# Altium PCB base.PcbDoc (continued)
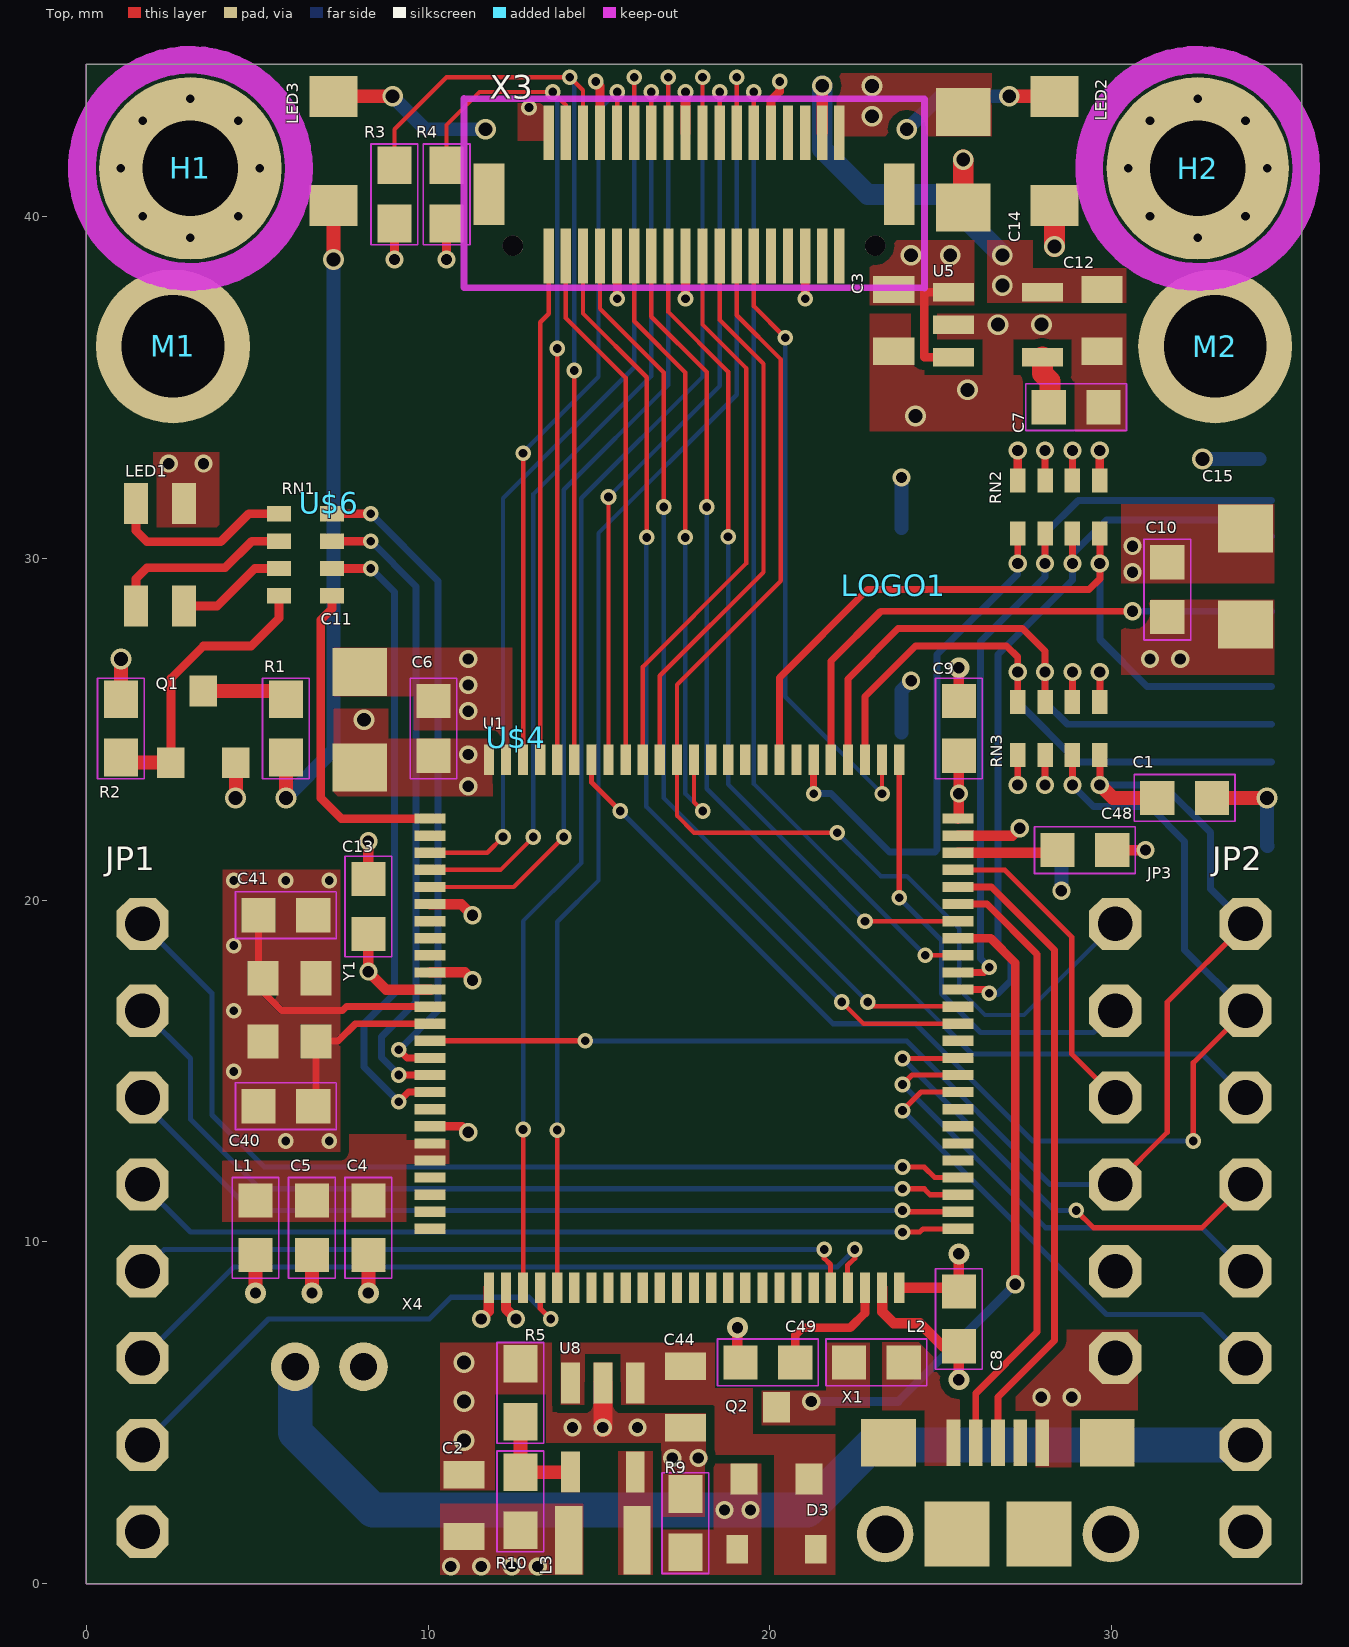
[diagram p0: Top view]
## Footprints (in the part's own frame and the unit in brackets; to place one, negate y for a bottom-side part, rotate by r counter-clockwise, add the part's x,y. Pads: shape width x height; smd on the part's side, far side on the other; paste and mask are expansions set on the pad) (continued)
  rect 0.9x1.8 smd: F1(6,0) F2(-6,0)
  round 0.6 hole 0.6 unplated: MH1(5.3,-1.5) MH2(-5.3,-1.5)
  Top keep-out lines w0.2: -6.732,-2.723 -6.732,2.804 6.742,2.791 6.742,-2.735 -6.732,-2.723
  body extent -6.84,-2.84 6.85,2.91, height 3.81
EIA3216 [mm] "EIA3216"
  rect 1.4x1.6 smd: A(1.4,0) C(-1.4,0)
  body extent -2.1,-0.8 2.1,0.8, height 1.27
EXBV8V [mm] "EXBV8V"
  rect 0.45x0.7 smd: 1(-1.2,-0.775) 2(-0.4,-0.775) 3(0.4,-0.775) 4(1.2,-0.775) 5(1.2,0.775) 6(0.4,0.775) 7(-0.4,0.775) 8(-1.2,0.775)
  body extent -1.6,-1.12 1.6,1.12, height 3.81
JST-PH-2-THM-RA [mil] "JST-PH-2-THM-RA"
  round 56 / inner round 60 / far side round 56 hole 31.5: 1(39.37,0) 2(-39.37,0)
  body extent -70,-30 70,30, height 50
LED-1206 [mm] "LED-1206"
  rect 1.2x1.4 smd: A(-1.6,0) C(1.6,0)
  body extent -2.2,-0.7 2.2,0.7, height 1.27
LED-TRICOLOR-SMD-MF [mm] "LED-TRICOLOR-SMD-MF"
  rect 0.7x1.2 smd: A(0.7,1.5) B(0.7,-1.5) G(-0.7,-1.5) R(-0.7,1.5)
  body extent -1.05,-2.1 1.05,2.1, height 1.27
LQFP100 [mm] "LQFP100"
  rect 0.9x0.3 smd: 1(-7.72,6) 2(-7.72,5.5) 3(-7.72,5) 4(-7.72,4.5) 5(-7.72,4) 6(-7.72,3.5) 7(-7.72,3) 8(-7.72,2.5) 9(-7.72,2) 10(-7.72,1.5) 11(-7.72,1) 12(-7.72,0.5) 13(-7.72,0) 14(-7.72,-0.5) 15(-7.72,-1) 16(-7.72,-1.5) 17(-7.72,-2) 18(-7.72,-2.5) 19(-7.72,-3) 20(-7.72,-3.5) 21(-7.72,-4) 22(-7.72,-4.5) 23(-7.72,-5) 24(-7.72,-5.5) 25(-7.72,-6) 51(7.72,-6) 52(7.72,-5.5) 53(7.72,-5) 54(7.72,-4.5) 55(7.72,-4) 56(7.72,-3.5) 57(7.72,-3) 58(7.72,-2.5) 59(7.72,-2) 60(7.72,-1.5) 61(7.72,-1) 62(7.72,-0.5) 63(7.72,0) 64(7.72,0.5) 65(7.72,1) 66(7.72,1.5) 67(7.72,2) 68(7.72,2.5) 69(7.72,3) 70(7.72,3.5) 71(7.72,4) 72(7.72,4.5) 73(7.72,5) 74(7.72,5.5) 75(7.72,6)
  rect 0.3x0.9 smd: 26(-6,-7.72) 27(-5.5,-7.72) 28(-5,-7.72) 29(-4.5,-7.72) 30(-4,-7.72) 31(-3.5,-7.72) 32(-3,-7.72) 33(-2.5,-7.72) 34(-2,-7.72) 35(-1.5,-7.72) 36(-1,-7.72) 37(-0.5,-7.72) 38(0,-7.72) 39(0.5,-7.72) 40(1,-7.72) 41(1.5,-7.72) 42(2,-7.72) 43(2.5,-7.72) 44(3,-7.72) 45(3.5,-7.72) 46(4,-7.72) 47(4.5,-7.72) 48(5,-7.72) 49(5.5,-7.72) 50(6,-7.72) 76(6,7.72) 77(5.5,7.72) 78(5,7.72) 79(4.5,7.72) 80(4,7.72) 81(3.5,7.72) 82(3,7.72) 83(2.5,7.72) 84(2,7.72) 85(1.5,7.72) 86(1,7.72) 87(0.5,7.72) 88(0,7.72) 89(-0.5,7.72) 90(-1,7.72) 91(-1.5,7.72) 92(-2,7.72) 93(-2.5,7.72) 94(-3,7.72) 95(-3.5,7.72) 96(-4,7.72) 97(-4.5,7.72) 98(-5,7.72) 99(-5.5,7.72) 100(-6,7.72)
  body extent -8.17,-8.17 8.17,8.17, height 3.81
MICROUSB-RIGHT [mm] "MICROUSB-RIGHT"
  rect 0.4x1.35 smd: 1(-1.3,1.27) 2(-0.65,1.27) 3(0,1.27) 4(0.65,1.27) 5(1.3,1.27)
  round 1.65 / inner round 1.524 / far side round 1.65 hole 1.1: S1(-3.3,-1.405) S2(3.3,-1.405)
  rect 1.6x1.4 smd: S3(-3.2,1.27) S4(3.2,1.27)
  rect 1.9x1.9 smd: S5(-1.2,-1.405) S6(1.2,-1.405)
  body extent -4.07,-2.36 4.07,1.97, height 1.27
OMV-LOGO [mm] "OMV-LOGO"
OMV-LOGO-BIG [mm] "OMV-LOGO-BIG"
OMV-LOGO-SMALL [mm] "OMV-LOGO-SMALL"
OSHW_FILLX100_NOTEXT [mm] "OSHW_FILLX100_NOTEXT"
ROHS [mm] "ROHS"
SOD-323 [mm] "SOD-323"
  rect 0.63x0.83 smd: 1(-1.15,0) 2(1.15,0)
  body extent -1.47,-0.42 1.47,0.42, height 1.27
SOT23-3 [mil] "SOT23-3"
  rect 31.5x35.43 smd: 1(-37.4,-39.37) 2(37.4,-39.37) 3(0,43.31)
  body extent -59,-57 59,61, height 150
SOT23-5 [mm] "SOT23-5"
  rect 0.55x1.2 smd: 1(-0.95,-1.3) 2(0,-1.3) 3(0.95,-1.3) 4(0.95,1.3) 5(-0.95,1.3)
  body extent -1.48,-1.9 1.48,1.9, height 3.81
TSOT25 [mm] "TSOT25"
  rect 0.55x1.2 smd: 1(-0.95,-1.3) 2(0,-1.3) 3(0.95,-1.3) 4(0.95,1.3) 5(-0.95,1.3)
  body extent -1.48,-1.9 1.48,1.9, height 3.81
WEEE [mm] "WEEE"

## Part data
C1 C4 C5 C6 C7 C8 C9 C10 C13 C40 C41 C48 C49: library part 0603-CAP, PackageName=0603-CAP
C2 C3 C12 C44: library part 0805, PackageName=0805
C11 C14 C15: library part EIA3216, PackageName=EIA3216
D3: library part SOD-323, PackageName=SOD-323
H1 H2: library part 2,8-PAD, PackageName=2,8-PAD
JP1 JP2: library part 1X08, PackageName=1X08
JP3: library part 1X06, PackageName=1X06
L1 L2: library part 0603, PackageName=0603
L3: library part 1007, PackageName=1007
LED1: library part LED-TRICOLOR-SMD-MF, PackageName=LED-TRICOLOR-SMD-MF
LED2 LED3: library part LED-1206, PackageName=LED-1206
LOGO1: library part OSHW_FILLX100_NOTEXT, PackageName=OSHW_FILLX100_NOTEXT
M1 M2: library part 9774030151R, PackageName=9774030151R
Q1 Q2: library part SOT23-3, PackageName=SOT23-3
R1 R2 R3 R4 R5 R9 R10: library part 0603-RES, PackageName=0603-RES
RN1 RN2 RN3: library part EXBV8V, PackageName=EXBV8V
U1: library part LQFP100, PackageName=LQFP100
U5: library part SOT23-5, PackageName=SOT23-5
U8: library part TSOT25, PackageName=TSOT25
U$1: library part WEEE, PackageName=WEEE
U$2: library part ROHS, PackageName=ROHS
U$3: library part OMV-LOGO, PackageName=OMV-LOGO
U$4: library part OMV-LOGO-SMALL, PackageName=OMV-LOGO-SMALL
U$6: library part OMV-LOGO-BIG, PackageName=OMV-LOGO-BIG
X1: library part MICROUSB-RIGHT, PackageName=MICROUSB-RIGHT
X2: library part 1040310811, PackageName=1040310811
X3: library part DF12-36-DS, PackageName=DF12-36-DS
X4: library part JST-PH-2-THM-RA, PackageName=JST-PH-2-THM-RA
Y1: library part CRYSTAL-2.5X2.0, PackageName=CRYSTAL-2.5X2.0

## Via types
v1: diameter 0.457/0.457/0.457/0.457 (per signal layer), hole 0.254, Top to Bottom, tented both sides, 87 vias
v2: diameter 0.533/0.594/0.594/0.533 (per signal layer), hole 0.33, Top to Bottom, tented both sides, 58 vias
v3: diameter 0.61/0.732/0.732/0.61 (per signal layer), hole 0.406, Top to Bottom, tented both sides, 27 vias
v4: diameter 0.61/0.594/0.594/0.61 (per signal layer), hole 0.33, Top to Bottom, tented both sides, 7 vias

## Nets (pads, with @x,y where several pads share a name; then routed paths per layer and width w, separated by ;. In a path a pad name is that pad's centre, name@x,y a point inside that pad or via, vN(x,y) a via of type N, cw(c..) or ccw(c..) an arc to the next point about the centre after c; other vN are vias at no path point)
BOOT0: JP2.2 RN3.3 U1.94 | length 37.6
  Top w0.152: U1.94 14.78,23.447 v1(15.621,22.606) ; v1(32.385,12.954) 32.385,15.24 JP2.2
  Top w0.203: v2(28.848,23.368) RN3.3
  Bottom w0.152: v1(15.621,22.606) 21.844,16.383 24.257,16.383 27.686,12.954 v1(32.385,12.954)
  Bottom w0.203: v2(28.848,23.368) 28.848,23.349 29.464,22.733 31.115,22.733 32.131,21.717 32.131,18.542 JP2.2
DAC: JP1.7 U1.29 | length 15
  Top w0.152: U1.29 13.28,8.056 v1(13.589,7.747)
  Bottom w0.152: JP1.7 5.334,7.747 10.033,7.747 10.668,8.382 12.954,8.382 v1(13.589,7.747)
DCMI_CLK: U1.67 X3.12 | length 29.5
  Top w0.127: X3.12 v1(19.53,43.637) ; v1(24.543,18.383) U1.67
  Bottom w0.127: v1(19.53,43.637) 19.53,23.396 v1(24.543,18.383)
DCMI_D0: U1.63 X3.31 | length 28.6
  Top w0.127: X3.31 14.53,37.159 16.395,35.294 v1(16.395,30.607) ; v1(22.098,17.018) 22.733,16.383 U1.63
  Bottom w0.127: v1(16.395,30.607) 16.383,30.595 16.383,22.733 v1(22.098,17.018)
DCMI_D1: U1.64 X3.29 | length 27.8
  Top w0.127: X3.29 15.03,37.294 16.895,35.429 v1(16.895,31.496) ; v1(22.86,17.018) 22.987,16.891 U1.64@25.492,16.891
  Top w0.152: U1.64@25.492,16.891 cw(c25.492,16.883) U1.64
  Bottom w0.127: v1(16.895,31.496) 16.895,22.985 22.86,17.02 v1(22.86,17.018)
DCMI_D2: U1.97 X3.35 | length 14.8
  Top w0.127: U1.97 13.28,36.902 13.53,37.152 X3.35
DCMI_D3: U1.98 X3.28 | length 21.9
  Top w0.127: U1.98 v1(12.78,33.067) ; X3.28 v1(15.53,43.637)
  Bottom w0.127: v1(12.78,33.067) 12.78,33.1 14.986,35.306 14.986,43.093 v1(15.53,43.637)
DCMI_D4: U1.3 X3.26 | length 27.8
  Top w0.127: U1.3 11.731,21.383 v1(12.192,21.844) ; X3.26 v1(16.03,44.069)
  Bottom w0.127: v1(12.192,21.844) 12.192,31.75 16.03,35.588 v1(16.03,44.069)
DCMI_D5: U1.92 X3.33 | length 15.5
  Top w0.127: X3.33 14.03,37.024 15.78,35.274 U1.92
DCMI_D6: U1.4 X3.24 | length 27.8
  Top w0.127: U1.4 12.12,20.883 v1(13.081,21.844) ; X3.24 v1(16.53,43.637)
  Bottom w0.127: v1(13.081,21.844) 13.081,31.877 16.53,35.326 v1(16.53,43.637)
DCMI_D7: U1.5 X3.22 | length 29.6
  Top w0.127: U1.5 12.509,20.383 v1(13.97,21.844) ; X3.22 v1(17.03,44.069)
  Bottom w0.127: v1(13.97,21.844) 13.97,32.004 17.03,35.064 v1(17.03,44.069)
DCMI_FSIN: JP2.3 X3.23 | length 35.8
  Top w0.127: X3.23 16.53,37.064 18.149,35.445 v1(18.149,31.496)
  Bottom w0.127: v1(18.149,31.496) 18.149,23.253 25.146,16.256
  Bottom w0.152: 25.146,16.256 25.908,15.494 32.639,15.494 JP2.3
DCMI_HSYNC: U1.28 X3.18 | length 39.2
  Top w0.127: U1.28 v1(12.78,13.288) ; X3.18 v1(18.03,44.069)
  Bottom w0.127: v1(12.78,13.288) 12.78,19.384 14.478,21.082 14.478,31.75 18.03,35.302 v1(18.03,44.069)
DCMI_PCLK: U1.30 X3.14 | length 39.2
  Top w0.127: U1.30 v1(13.78,13.272) ; X3.14 v1(19.03,44.069)
  Bottom w0.127: v1(13.78,13.272) 13.78,19.368 14.986,20.574 14.986,30.734 19.03,34.778 v1(19.03,44.069)
DCMI_PWDN: U1.88 X3.25 | length 18.7
  Top w0.127: X3.25 16.03,36.929 17.526,35.433 v1(17.526,30.607) ; U1.88 17.78,22.86 v1(18.034,22.606)
  Bottom w0.127: v1(17.526,30.607) 17.526,23.114 v1(18.034,22.606)
DCMI_RST: U1.69 X3.21 | length 24.6
  Top w0.127: X3.21 17.03,37.199 18.776,35.453 v1(18.776,30.627) ; v1(22.781,19.383) U1.69
  Bottom w0.127: v1(18.776,30.627) 18.776,23.388 v1(22.781,19.383)
DCMI_VSYNC: U1.93 X3.16 | length 22.1
  Top w0.127: U1.93 v1(15.28,31.79) ; X3.16 v1(18.53,43.637)
  Bottom w0.127: v1(15.28,31.79) 18.53,35.04 v1(18.53,43.637)
EXPST: U1.55
FREX: U1.56
FS_DM: U1.70 X1.2 | length 18
  Top w0.203: U1.70 26.345,19.883 27.813,18.415 27.813,7.366 26.02,5.573 X1.2
FS_DP: U1.71 X1.3 | length 18.7
  Top w0.203: U1.71 26.48,20.383 28.321,18.542 28.321,7.112 26.67,5.461 X1.3
GND: C1.2 C2.1 C3.1 C4.2 C5.2 C6.2 C7.2 C8.2 C9.2 C10.2 C11.C C12.1 C13.2 C14.C C15.C C40.1 C41.1 C44.1 C48.2 C49.2 JP2.8 JP3.6 Q1.2 R2.1 R5.1 R9.1 RN3.6 U1.10 U1.19 U1.26 U1.49 U1.74 U1.99 U5.2 U8.2 X1.5 X2.CD$2 X2.G$1 X2.G$2 X2.G$3 X2.G$4 X2.P$6 X3.5 X3.19 X3.27 X4.2 Y1.2 Y1.4 | length 34.6
  Top w0.203: RN3.6 v2(28.848,26.67)
  Top w0.254: U1.19 11.001,13.383 v2(11.176,13.208) ; v1(15.53,37.592) X3.27 ; v1(17.53,37.592) X3.19 ; v1(21.03,37.592) X3.5
  Top w0.305: C13.2 v2(8.255,21.717) ; U1.10 11.073,17.883 v2(11.303,17.653) ; v2(11.557,7.747) 11.78,7.97 U1.26 ; v4(19.05,7.493) 19.05,6.566 C49.2 ; U1.49 23.28,7.962 23.622,7.62 24.384,7.62 25.057,6.947 C8.2 v4(25.527,5.969) ; U1.74 27.09,21.883 v2(27.305,22.098) ; C9.2 v4(25.527,26.797) ; C48.2 v2(30.988,21.463)
  Top w0.406: R2.1 v3(1.016,27.051) ; v3(4.369,22.987) 4.379,22.997 Q1.2 ; v4(6.604,8.509) C5.2 ; v4(8.255,8.509) C4.2 ; C1.2 v3(34.544,22.987)
  Top w0.55: v2(15.113,4.572) U8.2
  Top w0.61: C14.C v3(25.654,41.656)
  Bottom w0.406: X2.G$4 23.85,26.136 v2(24.13,26.416) ; X2.G$3 v2(23.85,32.359) ; v2(28.525,20.27) X2.CD$2 ; v3(32.648,32.902) X2.G$2 ; v3(34.544,22.987) 34.544,21.588 X2.G$1
  other v1: 5.842,12.954 7.112,12.954 4.318,14.986 4.318,16.764 4.318,18.669 4.318,20.574 5.842,20.574 7.112,20.574
  other v2: 17.145,3.683 17.907,3.683 14.224,4.572 16.129,4.572 27.94,5.461 28.829,5.461 11.176,25.527 11.176,26.289 11.176,27.051 30.607,29.591 30.607,30.353
  other v3: 11.049,4.191 11.049,5.334 11.049,6.477 24.257,34.163 25.781,34.925 26.67,36.83 27.94,36.83
GPIO1: U1.84
GPIO2: U1.85
GPIO3: U1.82
I2C1_SCL: R3.2 U1.95 X3.32 | length 28.6
  Top w0.127: R3.2 9.017,42.545 10.541,44.069 v1(14.149,44.069) 14.53,43.688 X3.32 ; U1.95 v1(14.28,35.489)
  Bottom w0.127: v1(14.149,44.069) 14.28,43.938 v1(14.28,35.489)
I2C1_SDA: R4.2 U1.96 X3.34 | length 25.6
  Top w0.127: R4.2 10.541,42.672 11.506,43.637 v1(13.649,43.637) 14.03,43.256 X3.34 ; U1.96 v1(13.78,36.132)
  Bottom w0.127: v1(13.649,43.637) 13.78,43.506 v1(13.78,36.132)
I2C2_SCL: JP1.5 U1.46 | length 21.4
  Top w0.152: v1(21.59,9.779) 21.59,9.525 21.772,9.343 21.772,8.671 U1.46
  Bottom w0.152: JP1.5 2.286,9.779 v1(21.59,9.779)
I2C2_SDA: JP1.6 U1.47 | length 23.3
  Top w0.152: U1.47 22.272,8.671 22.272,9.318 22.479,9.525 v1(22.479,9.779)
  Bottom w0.152: JP1.6 4.318,9.271 21.971,9.271 v1(22.479,9.779)
LED_B: RN1.6 U1.17 | length 18.8
  Top w0.203: v1(9.144,14.097) 9.43,14.383 U1.17
  Top w0.254: RN1.6 v1(8.325,29.699)
  Bottom w0.203: v1(8.325,29.699) 9.017,29.007 9.017,17.272 8.128,16.383 8.128,15.113 v1(9.144,14.097)
LED_G: RN1.7 U1.16 | length 18.8
  Top w0.203: v1(9.144,14.883) U1.16
  Top w0.254: RN1.7 v1(8.325,30.499)
  Bottom w0.203: v1(8.325,30.499) 9.652,29.172 9.652,17.018 8.636,16.002 8.636,15.391 v1(9.144,14.883)
LED_IR: RN1.5 U1.1 | length 9.5
  Top w0.254: RN1.5 7.188,28.524 6.858,28.194 6.858,22.987 7.462,22.383 U1.1
LED_R: RN1.8 U1.15 | length 19.1
  Top w0.203: v1(9.144,15.621) 9.382,15.383 U1.15
  Top w0.254: RN1.8 v1(8.325,31.299)
  Bottom w0.203: v1(8.325,31.299) 10.287,29.337 10.287,16.764 v1(9.144,15.621)
N$1: 
  other v1: 3.048,43.434
N$2: C40.2 U1.13 Y1.3 | length 5.5
  Top w0.203: C40.2 ccw(c6.642,14.047) 6.719,14.047 Y1.3 6.73,15.875 7.366,15.875 7.874,16.383 U1.13
N$3: 
  other v1: 5.08,41.402
N$4: C41.2 U1.12 Y1.1 | length 7.5
  Top w0.203: C41.2 5.042,17.714 Y1.1 5.169,17.31 5.715,16.764 7.493,16.764 7.62,16.891 10.052,16.891 U1.12
N$5: Q1.1 R2.2 RN1.4 | length 8.5
  Top w0.254: Q1.1 2.479,26.482 3.429,27.432 4.826,27.432 5.639,28.245 RN1.4
  Top w0.406: R2.2 1.166,24.019 Q1.1
N$6: LED1.B RN1.3 | length 3.2
  Top w0.254: LED1.B 3.834,28.599 4.934,29.699 RN1.3
N$7: L2.1 X1.1
N$8: LED1.R RN1.1 | length 5.5
  Top w0.254: LED1.R 1.459,30.799 1.778,30.48 3.937,30.48 4.756,31.299 RN1.1
N$9: LED1.G RN1.2 | length 5.4
  Top w0.254: LED1.G 1.459,29.399 1.778,29.718 4.064,29.718 4.845,30.499 RN1.2
N$10: LED3.C R1.2 | length 19.1
  Top w0.406: v3(5.842,22.987) R1.2 ; v3(7.239,38.735) LED3.C
  Bottom w0.406: v3(5.842,22.987) 7.239,24.384 7.239,31.877 v3(7.239,38.735)
N$11: C7.1 U5.4 | length 1.6
  Top w0.61: U5.4 27.97,35.403 28.194,35.179 28.194,34.455 C7.1
N$12: C4.1 C5.1 L1.1 U1.20 U1.21
N$13: R5.2 R10.1 U8.4 | length 2.9
  Top w0.406: R5.2 R10.1 14.154,3.263 U8.4
N$14: Q1.3 R1.1 | length 2.5
  Top w0.406: Q1.3 5.592,26.119 R1.1
N$15: 
  other v1: 1.016,41.402
N$16: 
  other v1: 3.048,39.37
N$17: LED2.C LED3.A | length 22.3
  Top w0.406: LED3.A v3(8.966,43.51) ; v3(27,43.51) LED2.C
  VCC w0.406: v3(11.684,42.545) 12.192,42.037 23.495,42.037 v3(24.003,42.545)
  Bottom w0.406: v3(8.966,43.51) 9.931,42.545 v3(11.684,42.545) ; v3(24.003,42.545) 24.968,43.51 v3(27,43.51)
N$18: 
  other v1: 4.445,42.799
N$19: 
  other v1: 1.651,42.799
N$20: 
  other v1: 1.651,40.005
N$21: 
  other v1: 4.445,40.005
N$22: 
  other v1: 32.512,43.434
N$23: 
  other v1: 30.48,41.402
N$24: 
  other v1: 34.544,41.402
N$25: 
  other v1: 32.512,39.37
N$26: 
  other v1: 31.115,42.799
N$27: 
  other v1: 31.115,40.005
N$28: 
  other v1: 33.909,42.799
N$29: 
  other v1: 33.909,40.005
NRST: C1.1 JP2.1 JP3.4 RN3.4 U1.14 | length 40.6
  Top w0.152: U1.14 v1(14.597,15.883) ; JP3.4 31.623,13.208 31.623,17.018 JP2.1
  Top w0.203: v2(29.648,23.368) RN3.4
  Top w0.406: v2(29.648,23.368) 30.029,22.987 C1.1
  Bottom w0.152: v1(14.597,15.883) 14.605,15.875 24.003,15.875 28.194,11.684 JP3.4
  Bottom w0.203: v2(29.648,23.368) 31.496,23.368 32.893,21.971 32.893,20.32 JP2.1
RAW: C44.2 D3.1 Q2.2 U8.1 U8.3
RSVD1: X3.1
RSVD2: X3.3
RSVD3: X3.7
RSVD4: X3.9
RSVD5: X3.6
RSVD6: X3.8
SD_CD: RN2.5 U1.81 X2.CD$1 | length 15.6
  Top w0.203: v1(21.28,23.114) U1.81 ; v2(27.248,29.845) RN2.5
  Bottom w0.203: v1(21.28,23.114) 21.788,23.114 23.495,21.407 X2.CD$1 24.892,21.474 24.892,27.178 27.248,29.534 v2(27.248,29.845)
SDIO_CLK: U1.80 X2.P$5 | length 16.4
  Top w0.203: U1.80 21.78,26.987 23.241,28.448 v2(30.607,28.448)
  Bottom w0.203: v2(30.607,28.448) 34.669,28.448 X2.P$5
SDIO_CMD: RN2.8 U1.83 X2.P$3 | length 22.1
  Top w0.203: U1.83 20.28,26.503 22.86,29.083 29.337,29.083 29.648,29.394 v2(29.648,29.845) RN2.8
  Bottom w0.203: v2(29.648,29.845) 29.648,27.629 31.035,26.242 X2.P$3
SDIO_D0: RN2.7 U1.65 X2.P$7 | length 22.6
  Top w0.203: U1.65 26.305,17.383 v1(26.416,17.272) ; v2(28.848,29.845) RN2.7
  Bottom w0.203: v1(26.416,17.272) 26.67,17.272 27.051,17.653 27.051,18.288 26.67,18.669 26.67,27.178 28.848,29.356 v2(28.848,29.845) 28.848,30.118 29.845,31.115 33.655,31.115 34.128,30.642 X2.P$7
SDIO_D1: RN2.6 U1.66 X2.P$8 | length 22.5
  Top w0.203: U1.66 26.265,17.883 v1(26.416,18.034) ; v2(28.048,29.845) RN2.6
  Bottom w0.203: v1(26.416,18.034) 26.162,18.288 26.162,27.559 28.048,29.445 v2(28.048,29.845) 28.048,30.721 29.019,31.692 X2.P$8
SDIO_D2: RN3.8 U1.78 X2.P$1 | length 17.4
  Top w0.203: U1.78 22.78,25.955 24.257,27.432 26.924,27.432 27.248,27.108 v2(27.248,26.67) RN3.8
  Bottom w0.203: v2(27.248,26.67) 27.248,25.794 29,24.042 X2.P$1
SDIO_D3: RN3.7 U1.79 X2.P$2 | length 18.3
  Top w0.203: U1.79 22.28,26.471 23.749,27.94 27.394,27.94 28.048,27.286 v2(28.048,26.67) RN3.7
  Bottom w0.203: v2(28.048,26.67) 28.048,25.794 28.7,25.142 X2.P$2
SPI2_MISO: JP1.2 U1.53 | length 27.1
  Top w0.152: v1(23.876,11.557) 24.511,11.557 24.685,11.383 U1.53
  Bottom w0.152: JP1.2 3.048,15.367 3.048,13.589 5.08,11.557 v1(23.876,11.557)
SPI2_MOSI: JP1.1 U1.54 | length 29
  Top w0.152: v1(23.876,12.192) 24.511,12.192 24.82,11.883 U1.54
  Bottom w0.152: JP1.1 3.683,17.272 3.683,13.716 5.207,12.192 v1(23.876,12.192)
SPI2_NSS: JP1.4 U1.51 | length 24.5
  Top w0.152: v1(23.876,10.287) 24.384,10.287 24.48,10.383 U1.51
  Bottom w0.152: JP1.4 2.857,10.477 3.048,10.287 v1(23.876,10.287)
SPI2_SCLK: JP1.3 U1.52 | length 25.3
  Top w0.152: v1(23.876,10.922) 23.915,10.883 U1.52
  Bottom w0.152: JP1.3 1.651,14.097 4.826,10.922 v1(23.876,10.922)
SPI3_MISO: U1.90 X3.15 | length 16.5
  Top w0.127: U1.90 16.78,26.559 19.812,29.591 19.812,35.687 18.53,36.969 X3.15
SPI3_MOSI: U1.91 X3.17 | length 16.5
  Top w0.127: U1.91 16.28,26.821 19.304,29.845 19.304,35.56 18.03,36.834 X3.17
SPI3_SCLK/TRACESWO: JP3.1 U1.89 X3.13 | length 35.5
  Top w0.127: X3.13 19.03,37.104 20.32,35.814 20.32,29.337 17.28,26.297 17.28,25.273 U1.89 17.28,22.471 17.78,21.971 v1(21.971,21.971)
  Bottom w0.127: v1(21.971,21.971) 23.241,20.701 24.003,20.701 25.54,19.164 25.54,17.386 26.289,16.637 27.432,16.637 JP3.1
SPI3_SSEL: U1.77 X3.11 | length 18.3
  Top w0.127: X3.11 19.53,37.366 v1(20.447,36.449) ; v1(23.28,23.114) U1.77
  Bottom w0.127: v1(20.447,36.449) 20.447,25.947 v1(23.28,23.114)
SW: L3.1 U8.5
SWCLK: JP3.2 U1.76 | length 13.2
  Top w0.152: v1(23.78,20.066) U1.76
  Bottom w0.152: v1(23.78,20.066) 25.019,18.827 25.019,17.272 26.162,16.129 29.464,16.129 JP3.2
SWDIO: JP3.3 U1.72 | length 9.4
  Top w0.152: U1.72 26.869,20.883 28.829,18.923 28.829,15.494 JP3.3
TIM4_CH1: JP2.6 U1.59 | length 14.9
  Top w0.152: v1(23.876,13.843) 24.416,14.383 U1.59
  Bottom w0.152: v1(23.876,13.843) 29.845,7.874 32.639,7.874 JP2.6
TIM4_CH2: JP2.5 U1.60 | length 14
  Top w0.152: v1(23.876,14.605) 24.154,14.883 U1.60
  Bottom w0.152: v1(23.876,14.605) 28.067,10.414 32.639,10.414 JP2.5
TIM4_CH3: JP2.4 U1.61 | length 14.2
  Top w0.152: v1(23.876,15.367) 24.003,15.367 25.484,15.367 U1.61 ; v1(28.956,10.922) 29.464,10.414 32.639,10.414 JP2.4
  Bottom w0.152: v1(23.876,15.367) 28.321,10.922 v1(28.956,10.922)
UART2_RX: U1.87
UART2_TX: U1.86
VBUS: L2.2 Q2.3 U1.68 | length 18.8
  Top w0.254: U1.68 26.456,18.883 27.178,18.161 v2(27.178,8.763)
  Bottom w0.254: v2(21.209,5.334) 23.749,5.334 v2(27.178,8.763)
VCAP1: C49.1 U1.48 | length 3.8
  Top w0.254: C49.1 20.739,7.277 20.955,7.493 22.352,7.493 22.78,7.921 U1.48
VCAP2: C48.1 U1.73 | length 2.9
  Top w0.305: U1.73 28.33,21.383 C48.1
VCC: C2.2 C3.2 C6.1 C8.1 C9.1 C10.1 C11.A C13.1 C14.A C15.A JP1.8 JP3.5 L1.2 L3.2 LED1.A LED2.A R3.1 R4.1 R10.2 RN2.1 RN2.2 RN2.3 RN2.4 RN3.1 RN3.2 RN3.5 U1.6 U1.11 U1.27 U1.50 U1.75 U1.100 U5.1 U5.3 X2.P$4 X3.2 X3.10 X3.20 X3.30 X3.36 | length 28.8
  Top w0.203: v2(27.248,23.368) RN3.1 ; v2(28.048,23.368) RN3.2 ; RN2.3 v2(28.048,33.147) ; RN2.2 v2(28.848,33.147) ; RN3.5 v2(29.648,26.67)
  Top w0.254: v2(9.017,38.735) R3.1 ; v2(10.541,38.735) R4.1 ; v1(14.903,43.942) 15.03,43.815 X3.30 ; X3.10 20.03,43.398 20.284,43.652 v1(20.284,43.942) ; U5.3 24.511,35.88 24.511,37.78 U5.1 ; RN2.4 v2(27.248,33.147) ; RN2.1 v2(29.648,33.147)
  Top w0.305: C13.1 v2(8.255,17.907) 8.779,17.383 U1.11 ; U1.6 10.978,19.883 v2(11.303,19.558) ; U1.27 12.28,8.04 v2(12.573,7.747) ; X3.20 v1(17.53,43.637) ; U1.50 25.411,8.663 C8.1 v4(25.527,9.652) ; U1.75 25.527,22.41 v2(25.527,23.114) C9.1
  Top w0.406: v4(4.953,8.509) L1.2
  Top w0.61: v3(28.321,39.116) LED2.A
  other v1: 12.954,43.18
  other v2: 10.668,0.508 11.557,0.508 12.446,0.508 13.208,0.508 11.176,23.33 11.176,24.257 31.115,27.051 32.004,27.051 2.413,32.766 3.429,32.766
  other v3: 8.128,25.273 24.13,38.862 25.273,38.862 22.987,42.926 22.987,43.815
VDDA: C12.2 U5.5 X3.4 | length 9.8
  Top w0.33: X3.4 v3(21.53,43.819)
  Bottom w0.61: v3(21.53,43.819) 21.53,41.97 22.86,40.64 25.019,40.64 v3(26.797,38.862)
  other v3: 26.797,37.973
VIN: D3.2 JP2.7 Q2.1 R9.2 X4.1 | length 31.4
  Bottom w1.016: X4.1 6.112,4.429 8.382,2.159 v2(18.669,2.159) 21.082,2.159 22.987,4.064 JP2.7
  other v2: 19.431,2.159
pads on no net: H1.B2,8 H2.B2,8 M1.P$1 M2.P$1 U1.2 U1.7 U1.8 U1.9 U1.18 U1.22 U1.23 U1.24 U1.25 U1.31 U1.32 U1.33 U1.34 U1.35 U1.36 U1.37 U1.38 U1.39 U1.40 U1.41 U1.42 U1.43 U1.44 U1.45 U1.57 U1.58 U1.62 X1.4 X1.S1 X1.S2 X1.S3 X1.S4 X1.S5 X1.S6 X3.F1 X3.F2 X3.MH1 X3.MH2

## Polygon pours and split planes (outlines as drawn)
GND on GND "Polygon_1_Net_GND" (solid, remove dead copper, pour order 13): -0.127,-0.127 -0.127,44.577 35.687,44.577 35.687,-0.127
VDDA on Top "Polygon_2_Net_VDDA" (solid, remove dead copper, pour order 15): 26.352,37.478 30.416,37.478 30.416,38.481 27.686,38.481 27.686,39.306 26.352,39.306
SW on Top "Polygon_1_Net_SW" (solid, remove dead copper, pour order 1): 15.557,3.873 16.573,3.873 16.573,0.191 15.557,0.191
N$7 on Top "Polygon_1_Net_N$7" (solid, remove dead copper, pour order 16): 24.638,7.061 23.292,7.061 23.292,3.454 24.765,3.454 25.552,3.454 25.552,7.061
VIN on Top "Polygon_1_Net_VIN" (solid, remove dead copper, pour order 4): 16.828,0.191 16.828,1.587 18.351,1.587 18.351,3.518 19.748,3.518 19.748,0.191
RAW on Top "Polygon_1_Net_RAW" (solid, remove dead copper, pour order 19): 21.907,4.381 21.907,0.191 20.13,0.191 20.13,3.772 18.351,3.772 18.351,5.245 13.881,5.245 13.881,7.048 19.494,7.048 19.494,4.381
N$12 on Top "Polygon_1_Net_N$12" (solid, remove dead copper, pour order 18): 3.988,12.522 7.671,12.522 7.671,13.157 10.617,13.157 10.617,10.592 3.988,10.592
VCC on Top "Polygon_9_Net_VCC" (solid, remove dead copper, pour order 0): 12.624,43.637 12.624,42.215 13.729,42.215 13.729,43.637
VCC on Top "Polygon_8_Net_VCC" (solid, remove dead copper, pour order 3): 22.924,39.306 25.971,39.306 25.971,37.401 22.924,37.401
VCC on Top "Polygon_6_Net_VCC" (solid, remove dead copper, pour order 7): 21.895,44.272 21.895,42.342 26.492,42.342 26.492,44.272
VCC on Top "Polygon_5_Net_VCC" (solid, remove dead copper, pour order 22): 14.541,2.349 14.541,0.191 10.351,0.191 10.351,2.349 11.684,2.349
VCC on Top "Polygon_4_Net_VCC" (solid, remove dead copper, pour order 2): 1.956,33.096 1.956,30.912 3.886,30.912 3.886,33.096
VCC on Top "Polygon_3_Net_VCC" (solid, remove dead copper, pour order 8): 7.163,25.603 8.839,25.603 8.839,24.714 11.887,24.714 11.887,23.038 7.163,23.038
VCC on Top "Polygon_2_Net_VCC" (solid, remove dead copper, pour order 9): 30.277,26.594 34.747,26.594 34.747,28.778 30.277,28.778
VBUS on Top "Polygon_1_Net_VBUS" (solid, remove dead copper, pour order 20): 19.748,5.651 21.653,5.651 21.653,7.048 22.924,7.048 22.924,5.143 21.907,5.143 21.907,4.635 19.748,4.635
GND on Top "Polygon_8_Net_GND" (solid, remove dead copper, pour order 24): 22.924,37.148 30.416,37.148 30.416,33.718 22.924,33.718
GND on Top "Polygon_6_Net_GND" (solid, remove dead copper, pour order 21): 10.351,7.048 18.351,7.048 18.351,1.968 16.828,1.968 16.828,3.048 16.828,4.127 12.002,4.127 12.002,2.73 10.351,2.73
GND on Top "Polygon_5_Net_GND" (solid, remove dead copper, pour order 23): 27.193,3.411 27.193,7.436 30.764,7.436 30.764,3.411
GND on Top "Polygon_4_Net_GND" (solid, remove dead copper, pour order 11): 4,20.892 7.429,20.892 7.429,12.636 4,12.636
GND on Top "Polygon_3_Net_GND" (solid, remove dead copper, pour order 17): 7.163,27.381 12.522,27.381 12.522,23.673 11.989,23.673 11.989,24.943 9.576,24.943 9.576,25.959 7.163,25.959
GND on Top "Polygon_2_Net_GND" (solid, remove dead copper, pour order 10): 30.277,29.261 34.747,29.261 34.747,31.572 30.277,31.572
VDDA on Bottom "Polygon_1_Net_VDDA" (solid, remove dead copper, pour order 14): 27.699,39.319 26.34,39.319 26.34,37.465 27.699,37.465
VCC on Bottom "Polygon_7_Net_VCC" (solid, remove dead copper, pour order 6): 30.277,26.594 34.747,26.594 34.747,28.397 30.277,28.397
GND on Bottom "Polygon_7_Net_GND" (solid, remove dead copper, pour order 5): 30.277,29.134 34.747,29.134 34.747,30.81 30.277,30.81
VCC on VCC "Polygon_1_Net_VCC" (solid, remove dead copper, pour order 12): 0.254,0.254 0.254,44.196 35.306,44.196 35.306,0.254

## Keep-outs
Keep-Out Layer:
  the board outline again, w0

## Silkscreen, mask and mechanical layers (free items; w line width, h text height)
Dimension:
  the board outline again, w0
Reference:
  lines w0.127: 0,36.195 ccw(c2.857,36.131) 2.794,33.274 9.525,33.274 9.525,27.94 26.035,27.94 26.035,33.274 32.766,33.274 ccw(c32.703,36.131) 35.56,36.195 ccw(c32.703,36.258) 32.766,39.116 26.035,39.116 26.035,44.45 9.525,44.45 9.525,39.116 2.794,39.116 ccw(c2.857,36.258) 0,36.195
Top Assembly:
  circle w0.203: c20.447,43.942 r0.127
  lines w0.127: 2.413,30.886 2.413,32.296 3.302,32.296 3.302,30.886 2.413,30.886
  text "P0" at 3.937,18.796 h0.69 r90
  text "RST" at 32.385,18.415 h0.69 r90
  text "SWO" at 28.448,18.288 h0.69 r90
  text "P1" at 3.937,16.256 h0.69 r90
  text "SWC" at 28.448,15.748 h0.69 r90
  text "BOOT" at 32.385,15.43 h0.65 r90
  text "P2" at 3.937,13.716 h0.69 r90
  text "SWD" at 28.448,13.208 h0.69 r90
  text "SYN" at 32.385,12.954 h0.69 r90
  text "P3" at 3.937,11.049 h0.69 r90
  text "P9" at 32.385,11.049 h0.69 r90
  text "RST" at 28.448,10.795 h0.69 r90
  text "P4" at 3.937,8.509 h0.69 r90
  text "P8" at 32.385,8.509 h0.69 r90
  text "3.3v" at 28.448,8.001 h0.69 r90
  text "P7" at 32.385,6.096 h0.69 r90
  text "P5" at 3.937,5.969 h0.69 r90
  text "GND" at 28.448,5.588 h0.69 r90
  text "P6" at 3.937,3.556 h0.69 r90
  text "VIN" at 32.385,3.175 h0.69 r90
  text "GND" at 32.385,0.635 h0.69 r90
  text "3.3V" at 3.937,0.508 h0.69 r90
Bottom Assembly:
  lines w0.254: 3.048,26.797 8.128,26.797 8.128,28.067 ; 3.048,33.147 8.128,33.147 8.128,31.877 ; 12.954,9.652 22.606,9.652 ; 12.954,21.59 20.066,21.59 ; 21.336,21.59 22.606,21.59
  text "https://openmv.io" at 22.86,37.592 h0.69
  text "OpenMV-H7 R1" at 22.86,36.449 h0.69
  text "10/27/18" at 22.86,35.052 h0.69
  text "LED1=Red" at 7.493,31.623 h0.69
  text "LED2=Green" at 7.366,30.226 h0.69
  text "LED3=Blue" at 7.366,28.956 h0.69
  text "LED4=IR" at 7.366,27.559 h0.69
  text "Made in USA" at 34.671,23.495 h0.6 r270
  text "Built by MacroFab" at 33.782,23.241 h0.6 r270
  text "Pin List" at 22.606,22.098 h0.69
  text "P0=PB15/MOSI" at 22.606,20.32 h0.69
  text "P1=PB14/MISO" at 22.606,19.177 h0.69
  text "P0" at 3.175,18.796 h0.69 r270
  text "RST" at 31.623,18.415 h0.69 r270
  text "SWO" at 27.559,18.288 h0.69 r270
  text "P2=PB13/SCLK" at 22.606,18.034 h0.69
  text "P3=PB12/SS" at 22.606,16.891 h0.69
  text "P1" at 3.175,16.256 h0.69 r270
  text "P4=PB10/TXD/SCL" at 22.606,15.748 h0.69
  text "SWC" at 27.559,15.748 h0.69 r270
  text "BOOT" at 31.623,15.43 h0.65 r270
  text "P5=PB11/RXD/SDA" at 22.606,14.605 h0.69
  text "P2" at 3.175,13.716 h0.69 r270
  text "P6=PA5/ADC/DAC" at 22.606,13.462 h0.69
  text "SWD" at 27.432,13.208 h0.69 r270
  text "SYN" at 31.623,12.954 h0.69 r270
  text "P7=PD12/SERVO1" at 22.606,12.319 h0.69
  text "P8=PD13/SERVO2" at 22.606,11.176 h0.69
  text "P3" at 3.175,11.049 h0.69 r270
  text "P9" at 31.623,11.049 h0.69 r270
  text "RST" at 27.432,10.795 h0.69 r270
  text "P9=PD14/SERVO3" at 22.606,10.033 h0.69
  text "P4" at 3.175,8.509 h0.69 r270
  text "P8" at 31.623,8.509 h0.69 r270
  text "3.3v" at 27.432,8.001 h0.69 r270
  text "Max voltage: 5v" at 22.606,7.668 h0.69
  text "P7" at 31.623,6.096 h0.69 r270
  text "P5" at 3.175,5.969 h0.69 r270
  text "GND" at 27.432,5.588 h0.69 r270
  text "P6" at 3.175,3.556 h0.69 r270
  text "VIN" at 31.623,3.175 h0.69 r270
  text "GND" at 31.623,0.635 h0.69 r270
  text "3.3V" at 3.175,0.508 h0.69 r270

## Dimensions
35.56,44.45 to 35.56,0 on Reference
0,44.45 to 35.56,44.45 on Reference
2.54,36.195 to 33.02,36.195 on Reference
3.048,41.402 to 32.512,41.402 on Reference

## Text inside footprints (layer, text, board x,y; h text height)
X4: Top Assembly "+" at 6.626,8.446 h2.2 r180; Top Assembly "-" at 8.541,8.246 h2.2 r180